# KiCad board WLED Matrix.kicad_pcb (continued)
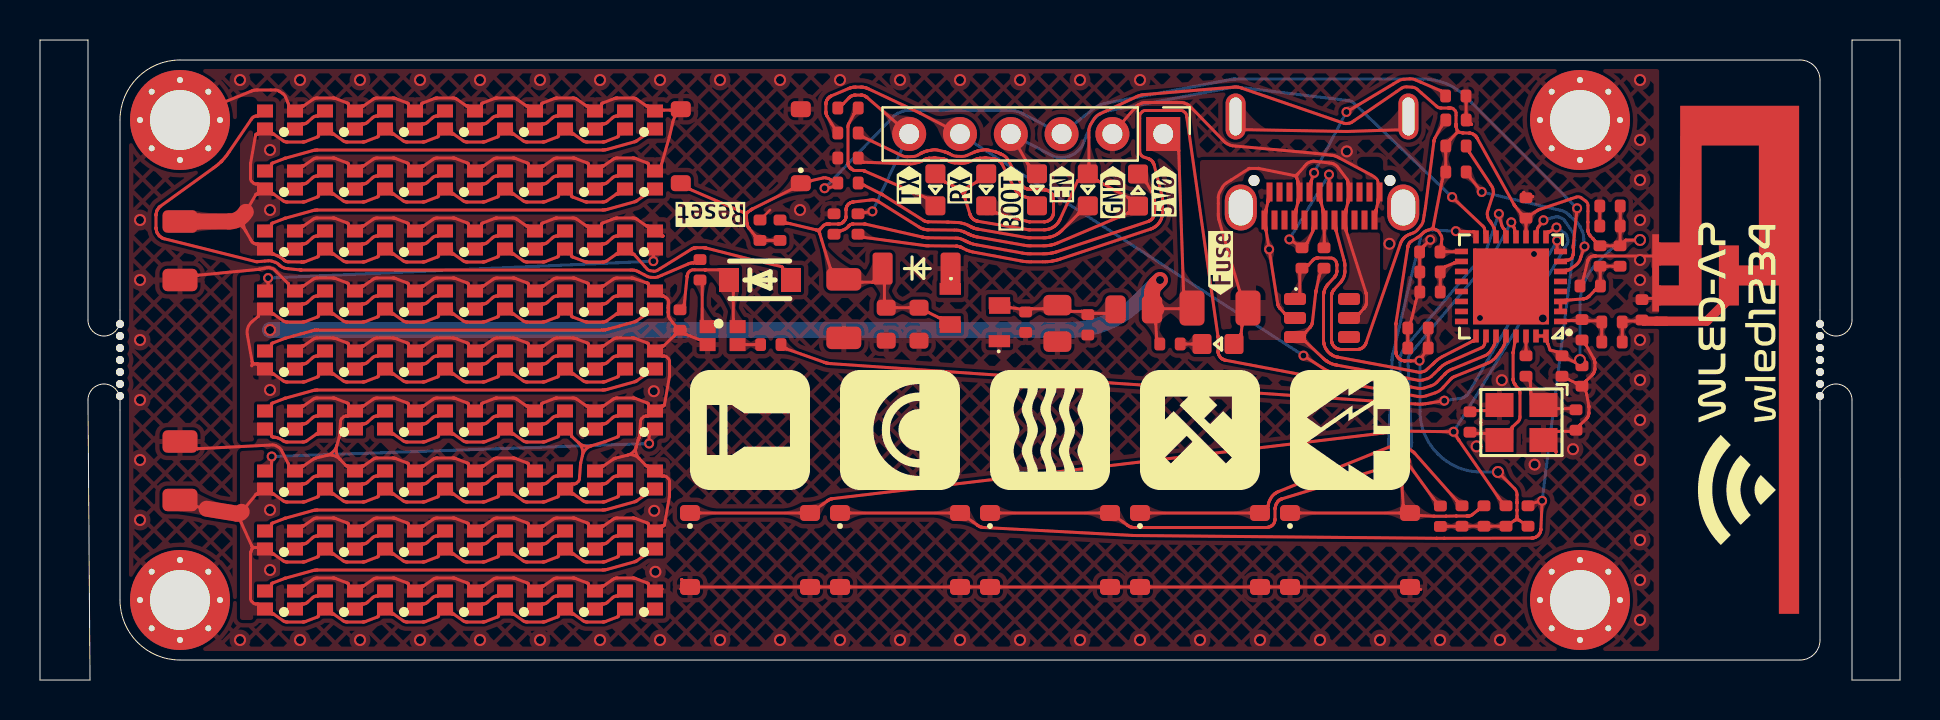
[diagram p0: board, top side]
## Routing (per net, layer and track width the routed paths; a pad name or vN(x,y) marks a point on that pad's centre or on a via; arc(x,y) is an arc through that point) (continued)
32.79,21.61 32.78,21.61 arc(32.77,21.61) 32.76,21.61 arc(32.75,21.61) 32.74,21.61 32.73,21.6 arc(32.73,21.6) 32.73,21.6 arc(32.72,21.6) 32.72,21.6 32.68,21.6 arc(32.67,21.59) 32.66,21.59 32.63,21.58 arc(32.62,21.57) 32.6,21.56 32.58,21.55 31,20.57 30.85,20.47 arc(30.77,20.44) 30.69,20.44 30.51,20.47 arc(30.43,20.49) 30.36,20.55 29.71,21.27 arc(29.71,21.27) 29.7,21.28 arc(29.69,21.29) 29.69,21.29 29.67,21.3 arc(29.67,21.3) 29.66,21.3 29.61,21.3 arc(29.58,21.31) 29.55,21.32 29.41,21.43 arc(29.25,21.48) 29.09,21.43 28.95,21.32 arc(28.92,21.31) 28.89,21.3 28.84,21.3 arc(28.84,21.3) 28.83,21.3 28.82,21.29 arc(28.82,21.29) 28.81,21.29 arc(28.81,21.29) 28.8,21.28 28.36,20.97 28.32,20.94 arc(28.29,20.93) 28.27,20.92 28.22,20.91 arc(28.2,20.9) 28.18,20.9 27.34,20.9 arc(27.32,20.9) 27.31,20.9 27.28,20.91 arc(27.26,20.91) 27.25,20.92 26.63,21.15 arc(26.62,21.15) 26.61,21.16 arc(26.6,21.16) 26.59,21.17 26.58,21.19 arc(26.58,21.2) 26.57,21.21 26.57,21.26 arc(26.57,21.3) 26.55,21.32 26.41,21.43 arc(26.25,21.48) 26.09,21.43 25.95,21.32 arc(25.93,21.3) 25.92,21.26 25.92,21.21 arc(25.92,21.2) 25.92,21.19 25.91,21.17 arc(25.9,21.16) 25.89,21.16 25.87,21.15 25.25,20.92 arc(25.24,20.91) 25.22,20.91 25.19,20.9 arc(25.18,20.9) 25.16,20.9 24.33,20.9 arc(24.3,20.9) 24.28,20.91 24.23,20.92 arc(24.21,20.93) 24.18,20.94 23.7,21.28 arc(23.69,21.29) 23.69,21.29 arc(23.68,21.29) 23.68,21.29 23.67,21.3 arc(23.66,21.3) 23.66,21.3 23.61,21.3 arc(23.58,21.31) 23.55,21.32 23.41,21.43 arc(23.25,21.48) 23.09,21.43 22.95,21.32 arc(22.93,21.3) 22.92,21.26 22.92,21.21 arc(22.92,21.2) 22.92,21.19 22.91,21.17 arc(22.9,21.16) 22.89,21.16 22.87,21.15 22.25,20.92 arc(22.24,20.91) 22.22,20.91 22.19,20.9 arc(22.18,20.9) 22.16,20.9 21.33,20.9 arc(21.3,20.9) 21.28,20.91 21.23,20.92 arc(21.21,20.93) 21.18,20.94 20.7,21.28 arc(20.69,21.29) 20.69,21.29 arc(20.68,21.29) 20.68,21.29 20.67,21.3 arc(20.66,21.3) 20.66,21.3 20.61,21.3 arc(20.58,21.31) 20.55,21.32 20.41,21.43 arc(20.25,21.48) 20.09,21.43 19.95,21.32 arc(19.93,21.3) 19.92,21.26 19.92,21.21 arc(19.92,21.2) 19.92,21.19 19.91,21.17 arc(19.9,21.16) 19.89,21.16 19.87,21.15 19.25,20.92 arc(19.24,20.91) 19.22,20.91 19.19,20.9 arc(19.18,20.9) 19.16,20.9 18.33,20.9 arc(18.3,20.9) 18.28,20.91 18.23,20.92 arc(18.21,20.93) 18.18,20.94 17.7,21.28 arc(17.69,21.29) 17.69,21.29 arc(17.68,21.29) 17.68,21.29 17.67,21.3 arc(17.66,21.3) 17.66,21.3 17.61,21.3 arc(17.58,21.31) 17.55,21.32 17.41,21.43 arc(17.25,21.48) 17.09,21.43 16.95,21.32 arc(16.93,21.3) 16.92,21.26 16.92,21.21 arc(16.92,21.2) 16.92,21.19 16.91,21.17 arc(16.9,21.16) 16.89,21.16 16.87,21.15 16.25,20.92 arc(16.24,20.91) 16.22,20.91 16.19,20.9 arc(16.18,20.9) 16.16,20.9 15.33,20.9 arc(15.3,20.9) 15.28,20.91 15.23,20.92 arc(15.21,20.93) 15.18,20.94 14.7,21.28 arc(14.69,21.29) 14.69,21.29 arc(14.68,21.29) 14.68,21.29 14.67,21.3 arc(14.66,21.3) 14.66,21.3 14.61,21.3 arc(14.58,21.31) 14.55,21.32 14.41,21.43 arc(14.25,21.48) 14.09,21.43 13.95,21.32 arc(13.93,21.3) 13.92,21.26 13.92,21.21 arc(13.92,21.2) 13.92,21.19 13.91,21.17 arc(13.9,21.16) 13.89,21.16 13.87,21.15 13.25,20.92 arc(13.24,20.91) 13.22,20.91 13.19,20.9 arc(13.18,20.9) 13.16,20.9 13.07,20.9 arc(13.07,20.9) 13.07,20.9 12.39,20.91 arc(12.36,20.91) 12.34,20.92 12.28,20.94 arc(12.26,20.95) 12.24,20.97 12.17,21.03 arc(12.13,21.06) 12.1,21.08 12.02,21.13 arc(11.98,21.15) 11.94,21.17 11.86,21.21 11.68,21.29 arc(11.67,21.3) 11.67,21.3 11.66,21.3 arc(11.66,21.3) 11.65,21.3 11.61,21.3 arc(11.58,21.31) 11.55,21.32 10.95,21.78 arc(10.92,21.79) 10.89,21.8 10.81,21.8 arc(10.76,21.81) 10.73,21.82 10.65,21.87 arc(10.62,21.89) 10.59,21.92 10.55,22 10.29,22.44 ; C25.1 7.43,8.82 arc(7.87,8.67) 8.33,8.56 ; 10.95,12.78 11.55,12.32 arc(11.57,12.3) 11.57,12.26 11.57,12.21 arc(11.58,12.2) 11.58,12.19 11.6,12.16 arc(11.61,12.16) 11.63,12.15 11.77,12.13 arc(11.83,12.12) 11.88,12.1 12,12.06 arc(12.05,12.03) 12.1,12 12.16,11.96 arc(12.16,11.96) 12.16,11.96 12.18,11.95 arc(12.2,11.93) 12.23,11.92 12.27,11.91 arc(12.3,11.9) 12.32,11.9 13.18,11.9 arc(13.2,11.9) 13.22,11.91 13.27,11.92 arc(13.29,11.93) 13.32,11.94 13.36,11.97 13.8,12.28 arc(13.81,12.29) 13.81,12.29 arc(13.82,12.29) 13.82,12.29 13.83,12.3 arc(13.84,12.3) 13.84,12.3 13.89,12.3 arc(13.92,12.31) 13.95,12.32 RGB38.2 ; 11.09,24.43 10.95,24.32 arc(10.92,24.31) 10.89,24.3 10.84,24.3 arc(10.83,24.3) 10.82,24.29 10.8,24.28 arc(10.8,24.28) 10.79,24.27 arc(10.78,24.26) 10.78,24.25 10.29,23.41 arc(10.16,22.93) 10.29,22.44 ; 11.09,24.43 arc(11.25,24.48) 11.41,24.43 ; 26.93,11.86 26.6,12.16 arc(26.6,12.17) 26.59,12.18 arc(26.59,12.18) 26.58,12.19 26.58,12.2 arc(26.58,12.21) 26.57,12.22 26.57,12.26 arc(26.57,12.3) 26.55,12.32 26.41,12.43 arc(26.25,12.48) 26.09,12.43 25.95,12.32 arc(25.93,12.3) 25.92,12.26 25.92,12.21 arc(25.92,12.2) 25.92,12.19 25.91,12.17 arc(25.9,12.16) 25.89,12.16 25.87,12.15 25.25,11.92 arc(25.24,11.91) 25.22,11.91 25.19,11.9 arc(25.18,11.9) 25.16,11.9 24.33,11.9 arc(24.3,11.9) 24.28,11.91 24.23,11.92 arc(24.21,11.93) 24.18,11.94 23.7,12.28 arc(23.69,12.29) 23.69,12.29 arc(23.68,12.29) 23.68,12.29 23.67,12.3 arc(23.66,12.3) 23.66,12.3 23.61,12.3 arc(23.58,12.31) 23.55,12.32 23.41,12.43 arc(23.25,12.48) 23.09,12.43 22.95,12.32 arc(22.93,12.3) 22.92,12.26 22.92,12.21 arc(22.92,12.2) 22.92,12.19 22.91,12.17 arc(22.9,12.16) 22.89,12.16 22.87,12.15 22.25,11.92 arc(22.24,11.91) 22.22,11.91 22.19,11.9 arc(22.18,11.9) 22.16,11.9 21.33,11.9 arc(21.3,11.9) 21.28,11.91 21.23,11.92 arc(21.21,11.93) 21.18,11.94 20.7,12.28 arc(20.69,12.29) 20.69,12.29 arc(20.68,12.29) 20.68,12.29 20.67,12.3 arc(20.66,12.3) 20.66,12.3 20.61,12.3 arc(20.58,12.31) 20.55,12.32 20.41,12.43 arc(20.25,12.48) 20.09,12.43 19.95,12.32 arc(19.93,12.3) 19.92,12.26 19.92,12.21 arc(19.92,12.2) 19.92,12.19 19.91,12.17 arc(19.9,12.16) 19.89,12.16 19.87,12.15 19.25,11.92 arc(19.24,11.91) 19.22,11.91 19.19,11.9 arc(19.18,11.9) 19.16,11.9 18.33,11.9 arc(18.3,11.9) 18.28,11.91 18.23,11.92 arc(18.21,11.93) 18.18,11.94 17.7,12.28 arc(17.69,12.29) 17.69,12.29 arc(17.68,12.29) 17.68,12.29 17.67,12.3 arc(17.66,12.3) 17.66,12.3 17.61,12.3 arc(17.58,12.31) 17.55,12.32 RGB39.2 ; 26.93,11.86 arc(27.23,11.7) 27.58,11.71 ; 26.09,9.43 25.95,9.32 arc(25.93,9.3) 25.92,9.26 25.92,9.21 arc(25.92,9.2) 25.92,9.19 25.91,9.17 arc(25.9,9.16) 25.89,9.16 25.87,9.15 25.25,8.92 arc(25.24,8.91) 25.22,8.91 25.19,8.9 arc(25.18,8.9) 25.16,8.9 24.33,8.9 arc(24.3,8.9) 24.28,8.91 24.23,8.92 arc(24.21,8.93) 24.18,8.94 23.7,9.28 arc(23.69,9.29) 23.69,9.29 arc(23.68,9.29) 23.68,9.29 23.67,9.3 arc(23.66,9.3) 23.66,9.3 23.61,9.3 arc(23.58,9.31) 23.55,9.32 23.41,9.43 arc(23.25,9.48) 23.09,9.43 22.95,9.32 arc(22.93,9.3) 22.92,9.26 22.92,9.21 arc(22.92,9.2) 22.92,9.19 22.91,9.17 arc(22.9,9.16) 22.89,9.16 22.87,9.15 22.25,8.92 arc(22.24,8.91) 22.22,8.91 22.19,8.9 arc(22.18,8.9) 22.16,8.9 21.33,8.9 arc(21.3,8.9) 21.28,8.91 21.23,8.92 arc(21.21,8.93) 21.18,8.94 20.7,9.28 arc(20.69,9.29) 20.69,9.29 arc(20.68,9.29) 20.68,9.29 20.67,9.3 arc(20.66,9.3) 20.66,9.3 20.61,9.3 arc(20.58,9.31) 20.55,9.32 20.41,9.43 arc(20.25,9.48) 20.09,9.43 19.95,9.32 arc(19.93,9.3) 19.92,9.26 19.92,9.21 arc(19.92,9.2) 19.92,9.19 19.91,9.17 arc(19.9,9.16) 19.89,9.16 19.87,9.15 19.25,8.92 arc(19.24,8.91) 19.22,8.91 19.19,8.9 arc(19.18,8.9) 19.16,8.9 18.33,8.9 arc(18.3,8.9) 18.28,8.91 18.23,8.92 arc(18.21,8.93) 18.18,8.94 17.7,9.28 arc(17.69,9.29) 17.69,9.29 arc(17.68,9.29) 17.68,9.29 17.67,9.3 arc(17.66,9.3) 17.66,9.3 17.61,9.3 arc(17.58,9.31) 17.55,9.32 17.41,9.43 arc(17.25,9.48) 17.09,9.43 16.95,9.32 arc(16.93,9.3) 16.92,9.26 16.92,9.21 arc(16.92,9.2) 16.92,9.19 16.91,9.17 arc(16.9,9.16) 16.89,9.16 16.87,9.15 16.25,8.92 arc(16.24,8.91) 16.22,8.91 16.19,8.9 arc(16.18,8.9) 16.16,8.9 15.33,8.9 arc(15.3,8.9) 15.28,8.91 15.23,8.92 arc(15.21,8.93) 15.18,8.94 14.7,9.28 arc(14.69,9.29) 14.69,9.29 arc(14.68,9.29) 14.68,9.29 14.67,9.3 arc(14.66,9.3) 14.66,9.3 14.61,9.3 arc(14.58,9.31) 14.55,9.32 14.41,9.43 arc(14.25,9.48) 14.09,9.43 13.95,9.32 arc(13.93,9.3) 13.92,9.26 13.92,9.21 arc(13.92,9.2) 13.92,9.19 13.91,9.17 arc(13.9,9.16) 13.89,9.16 13.87,9.15 13.25,8.92 arc(13.24,8.91) 13.22,8.91 13.19,8.9 arc(13.18,8.9) 13.16,8.9 12.33,8.9 arc(12.3,8.9) 12.28,8.91 12.23,8.92 arc(12.21,8.93) 12.18,8.94 11.7,9.28 arc(11.69,9.29) 11.69,9.29 arc(11.68,9.29) 11.68,9.29 11.67,9.3 arc(11.66,9.3) 11.66,9.3 11.61,9.3 arc(11.58,9.31) 11.55,9.32 11.41,9.43 arc(11.25,9.48) 11.09,9.43 10.95,9.32 arc(10.92,9.31) 10.89,9.3 10.84,9.3 arc(10.83,9.3) 10.83,9.3 10.81,9.29 arc(10.8,9.28) 10.8,9.28 arc(10.79,9.27) 10.79,9.27 10.09,8.41 arc(10.02,8.29) 10,8.15 ; 27.58,11.71 28.24,11.91 arc(28.24,11.91) 28.25,11.91 arc(28.25,11.92) 28.25,11.92 28.26,11.92 arc(28.26,11.92) 28.26,11.92 arc(28.27,11.92) 28.27,11.92 28.87,12.15 28.89,12.16 arc(28.9,12.16) 28.91,12.17 28.92,12.19 arc(28.92,12.2) 28.92,12.21 28.92,12.26 arc(28.93,12.3) 28.95,12.32 RGB43.2 ; 55.67,18.32 arc(55.62,18.53) 55.6,18.75 ; 10.29,22.44 arc(9.94,22.8) 9.46,22.93 ; 10,8.15 arc(9.95,8.26) 9.85,8.32
  Top w0.8: 8.33,8.56 9.85,8.32 arc(9.98,8.33) 10.09,8.41 ; 7.84,22.93 9.46,22.93 arc(9.94,23.05) 10.29,23.41 ; v1(56,20) 55.8,19.8 arc(55.65,19.58) 55.6,19.32 55.6,18.75 arc(55.67,18.6) 55.82,18.55
  Bottom w0.8: v1(11.5,17.5) 51.43,17.5 arc(53.34,17.88) 54.96,18.96 v1(56,20)
  vias: v1(11.5,26.5) v1(11.5,23.5) v1(11.5,14.5) v1(11.5,8.5) v1(11.5,5.5)
